# KiCad board ni_arena_12-12.kicad_pcb (continued)
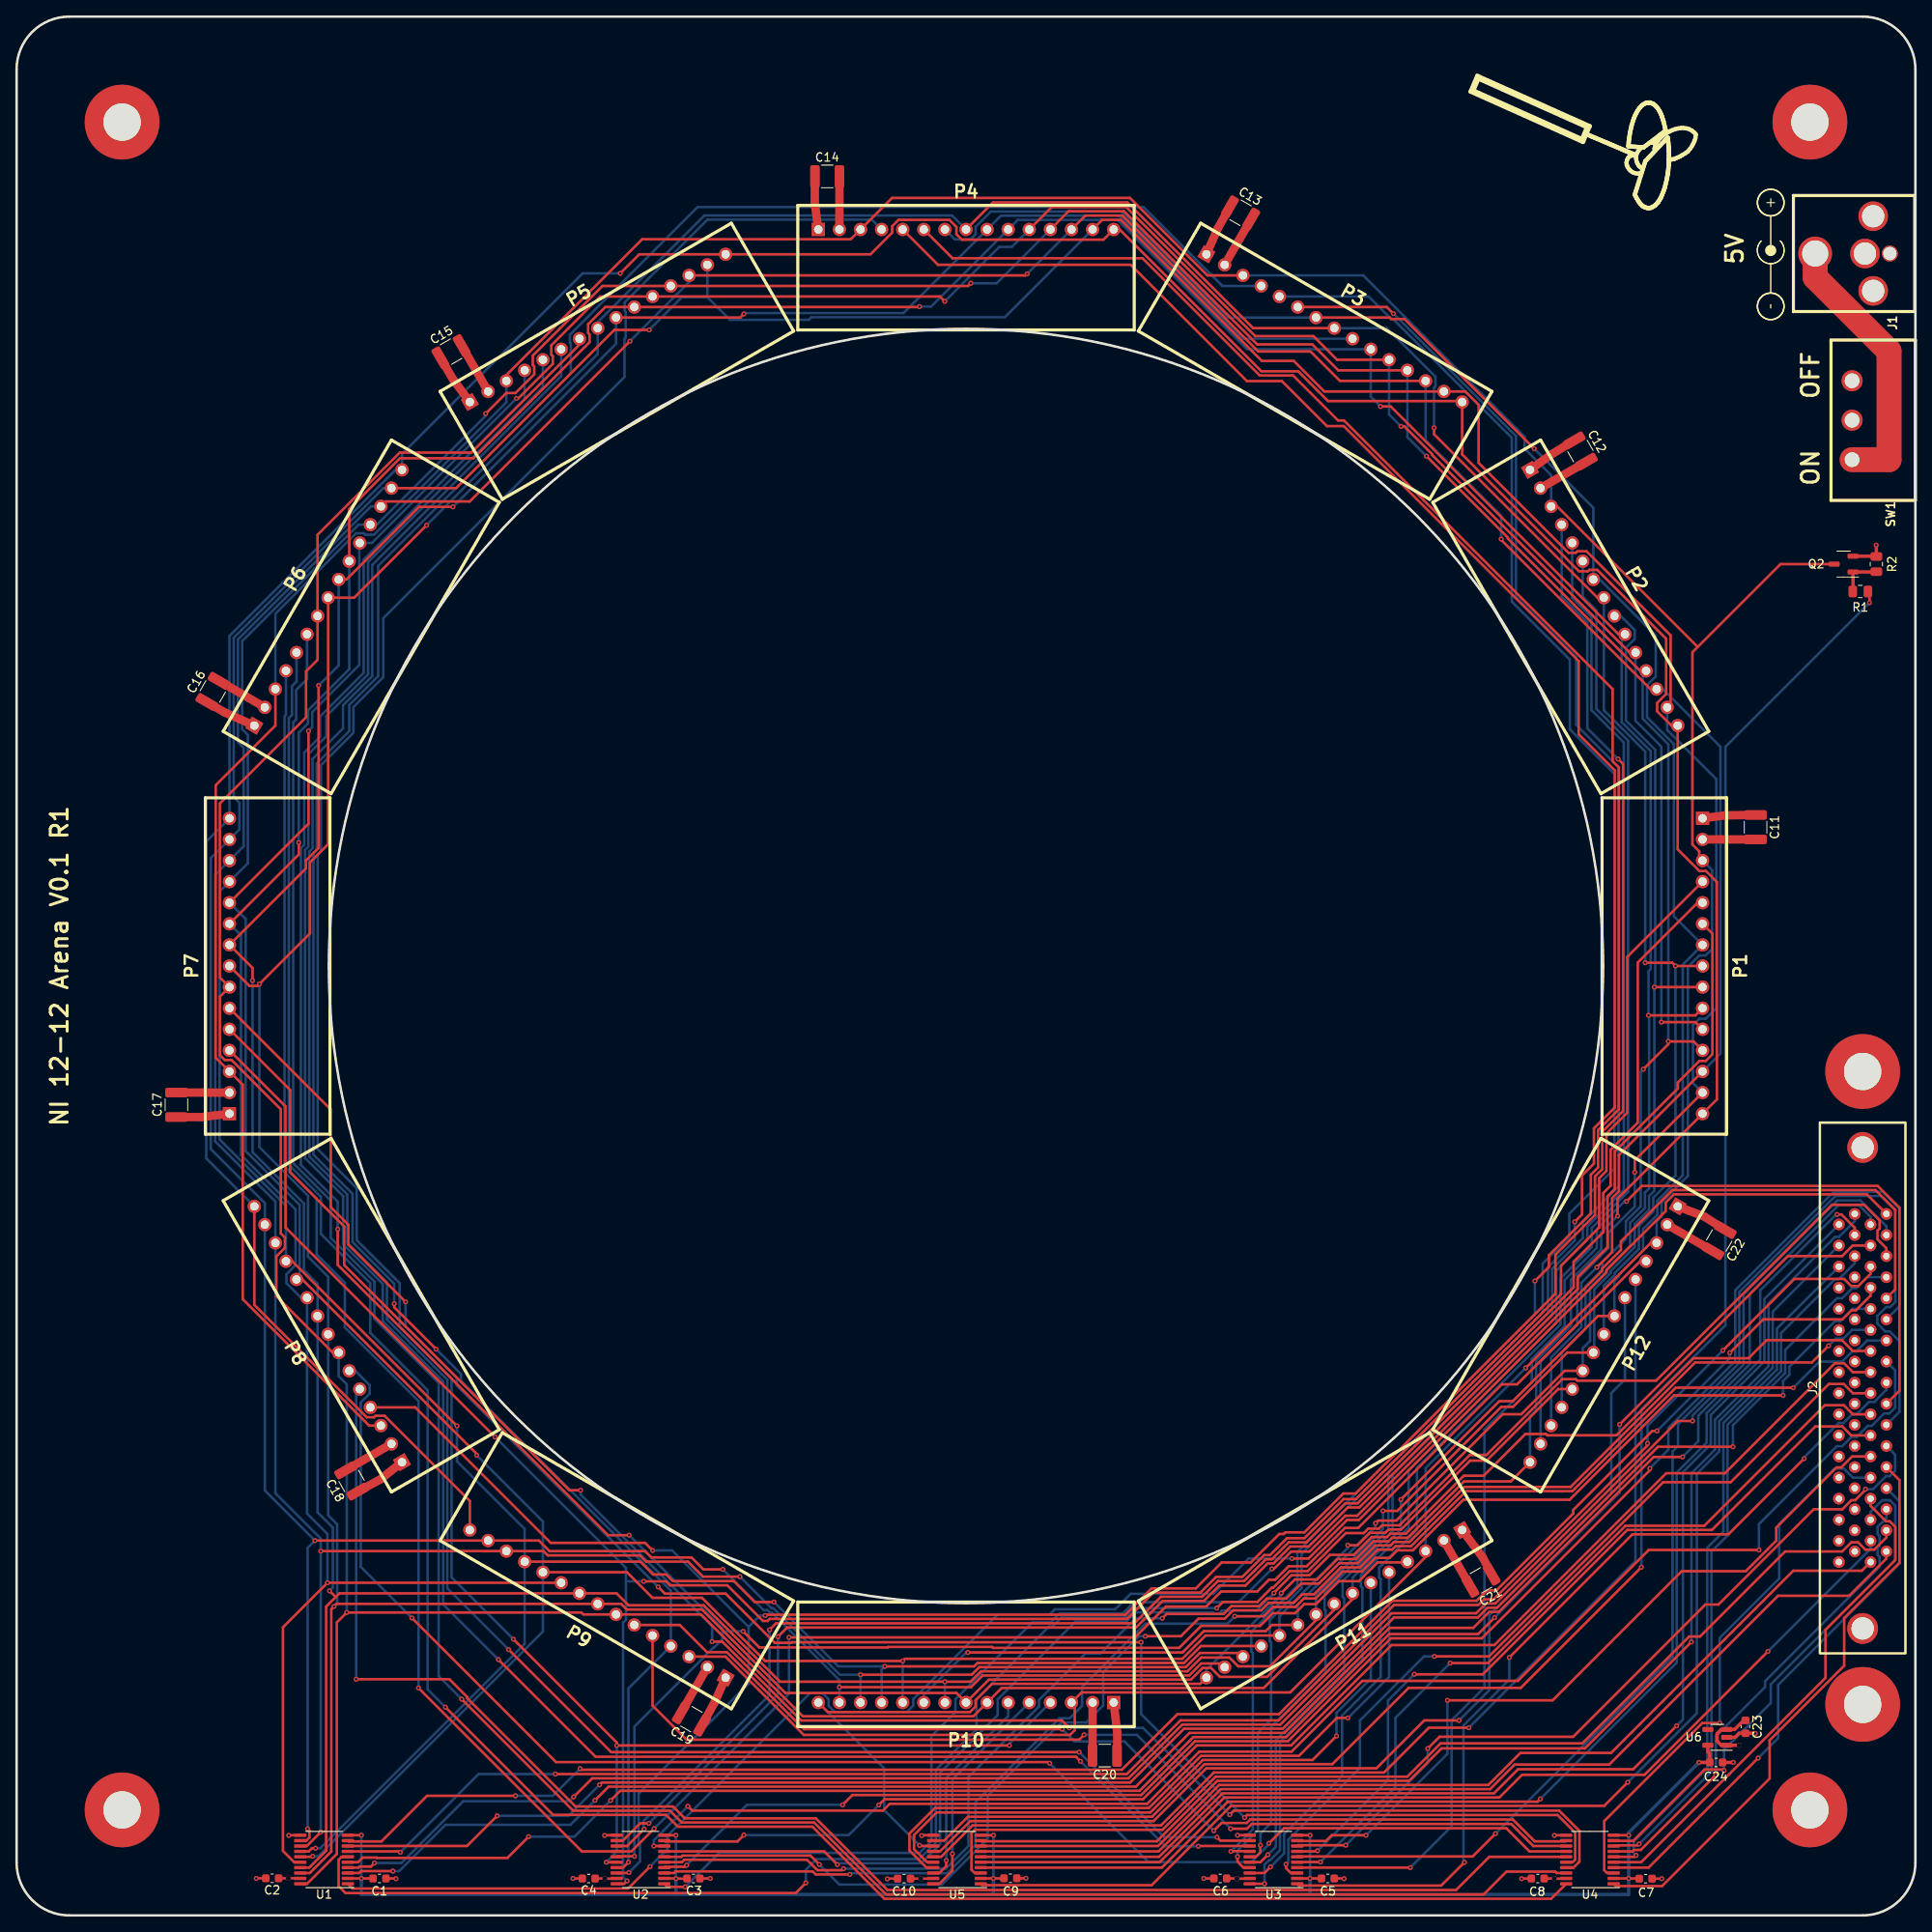
[diagram p0: board, top side]
## Routing (per net, layer and track width the routed paths; a pad name or vN(x,y) marks a point on that pad's centre or on a via; arc(x,y) is an arc through that point) (continued)
  Bottom w0.3: v1(206.25,67.73) 206.25,67.09 v1(197.49,58.33) ; v1(67.83,17.67) 64.56,14.4 v1(60.06,14.4)
/Level Shifters/PAN3V.EXT_INT: length 121.3
  Top w0.3: J2.35 222.15,41.49 213.89,41.49 191.96,19.56 181.05,19.56 177.19,15.7 144.77,15.7 137.42,8.35 U5.8
/Level Shifters/PAN3V.MISO_00: length 169.5
  Top w0.3: U2.9 78.08,8.9 86.79,8.9 v1(87.56,9.67) ; v1(103.79,13.29) 104.5,13.99 135.61,13.99 142.08,20.46 153.44,20.46 165.52,32.54 177.92,32.54 198.61,53.23 205.68,53.23 218.9,66.46 220.02,66.46 221.08,65.41 J2.53
  Bottom w0.3: v1(103.79,13.29) 100.18,9.67 v1(87.56,9.67)
/Level Shifters/PAN3V.MISO_01: length 101.8
  Top w0.3: v1(152.83,6.16) 152.83,5.69 153.42,5.1 U3.3 ; v1(170.68,31.18) 177.26,31.18 198.24,52.16 206.36,52.16 218.18,63.98 219.97,63.98 221.08,62.87 223.2,62.87
  Bottom w0.3: v1(170.68,31.18) 169.44,31.18 161.73,23.47 161.73,17.73 153.11,9.11 153.11,6.43 v1(152.83,6.16)
/Level Shifters/PAN3V.MISO_02: length 97.1
  Top w0.3: J2.49 221.08,60.33 219.99,61.41 217.69,61.41 203.19,46.91 193.7,46.91 177.17,30.38 v1(172.59,30.38) ; v1(156.97,6.42) 154.2,6.42 U3.5
  Bottom w0.3: v1(156.97,6.42) 166,15.45 166,23.78 v1(172.59,30.38)
/Level Shifters/PAN3V.MISO_03: length 96.3
  Top w0.3: v1(156.61,7.78) 156.54,7.7 U3.7 ; v1(168.26,29.02) 176.52,29.02 193.9,46.4 204.1,46.4 216.56,58.86 219.8,58.86 220.88,57.79 J2.47
  Bottom w0.3: v1(156.61,7.78) 165.11,16.27 165.11,25.87 v1(168.26,29.02)
/Level Shifters/PAN3V.MISO_04: length 92.9
  Top w0.3: v1(172.26,25.89) 184.92,25.89 200.47,41.44 208.18,41.44 211.84,45.11 211.84,46.67 219.11,53.94 219.67,53.94 220.98,55.25 J2.45 ; v1(162.45,9.65) 158.33,9.65 157.63,8.96 154.22,8.96 U3.9
  Bottom w0.3: v1(162.45,9.65) 172.26,19.45 v1(172.26,25.89)
/Level Shifters/PAN3V.MISO_05: length 67.1
  Top w0.3: v1(205.05,23.15) 202.94,23.15 191.14,11.35 191.14,5.45 191.49,5.1 U4.3
  Bottom w0.3: v1(205.05,23.15) 205.05,33.41 212.2,40.56 212.2,47.12 218.89,53.81 219.98,53.81 221.08,52.71 223.2,52.71
/Level Shifters/PAN3V.MISO_06: length 61.2
  Top w0.3: U4.5 195.59,6.4 217.78,28.59 217.78,34.38 226.18,42.78 226.18,46.77 225.5,47.45 225.07,47.45 223.2,49.31 J2.41
/Level Shifters/PAN3V.MISO_07: length 57
  Top w0.3: v1(204.56,16.91) 195.54,7.88 194.7,7.88 194.52,7.7 U4.7
  Bottom w0.3: v1(204.56,16.91) 204.56,21.54 210.51,27.49 210.51,28.2 224.29,41.98 224.29,43.15 224.06,43.38 224.06,44.25 224.29,44.48 224.29,45.69 224.06,45.92 224.06,46.79 225.11,47.84 J2.40
/Level Shifters/PAN3V.MISO_08: length 62.1
  Top w0.3: v1(205.56,17.43) 205.43,17.56 203.21,17.56 194.62,8.97 192.31,8.97 U4.9
  Bottom w0.3: v1(205.56,17.43) 205.56,19.94 211.19,25.57 211.19,27.81 226.17,42.8 226.17,49.33 225.53,49.98 224.6,49.98 223.2,48.58 J2.39
/Level Shifters/PAN3V.MISO_09: length 132.2
  Top w0.3: U5.3 115.35,5.1 114.96,5.49 114.96,9.91 115.35,10.31 137.96,10.31 144.35,16.7 167.43,16.7 171.44,20.71 188.5,20.71 201.36,33.57 202.67,33.57 212.92,43.82 219.79,43.82 220.88,44.91 221.71,44.91 222.58,44.03 223.64,44.03 225.11,45.5 J2.38
/Level Shifters/PAN3V.MISO_10: length 123.7
  Top w0.3: U5.5 137.6,6.4 145.39,14.19 178.51,14.19 181.25,16.93 196,16.93 v1(210.85,31.78)
  Bottom w0.3: v1(210.85,31.78) 223.2,44.13 J2.37
/Level Shifters/PAN3V.MISO_11: length 124.5
  Top w0.3: U5.7 137.48,7.7 144.98,15.2 177.4,15.2 180.36,18.16 191.74,18.16 212.06,38.48 220.63,38.48 225.11,42.96 J2.36
/Level Shifters/PAN3V.MOSI_00: length 181.2
  Top w0.3: U2.8 v1(76.72,8.35) ; v1(80.81,13.14) 81.34,12.62 104.29,12.62 105.11,13.43 136.11,13.43 142.4,19.71 153.49,19.71 162.01,28.23 180.74,28.23 196.49,43.99 v1(209.77,43.99)
  Bottom w0.3: J2.54 226.16,65.62 226.16,61.13 225.45,60.42 224.83,60.42 223.35,58.94 222.87,58.94 221.54,57.61 220.9,57.61 219.78,56.48 219.14,56.48 209.77,47.11 v1(209.77,43.99) ; v1(80.81,13.14) 76.72,9.05 v1(76.72,8.35)
/Level Shifters/PAN3V.MOSI_01: length 108.1
  Top w0.3: v1(179.71,31.06) 194.53,45.88 206.09,45.88 v1(215.21,55) ; U3.1 154.39,3.59 171.51,3.59 v1(174.31,6.39)
  Bottom w0.3: v1(174.31,6.39) 174.19,6.52 174.19,22.86 179.71,28.39 v1(179.71,31.06) ; J2.52 225.11,63.27 223.65,61.81 223,61.81 221.57,60.38 221.03,60.38 219.93,59.27 219.34,59.27 215.21,55.14 v1(215.21,55)
/Level Shifters/PAN3V.MOSI_02: length 163.7
  Top w0.3: U3.4 v1(167.79,5.75) ; J2.50 226.68,63.16 226.68,85.2 224.06,87.82 195.68,87.82 v1(193.82,85.96)
  Bottom w0.3: v1(167.79,5.75) 172.76,10.72 172.76,23.5 176.71,27.45 176.71,58.47 182.41,64.17 182.41,66.99 186.37,70.95 186.37,76.49 190.25,80.36 190.25,82.64 193.57,85.96 v1(193.82,85.96)
/Level Shifters/PAN3V.MOSI_03: length 155.7
  Top w0.3: v1(178.05,9.84) 175.3,7.09 154.22,7.09 U3.6
  Bottom w0.3: v1(178.05,9.84) 199.36,31.16 199.36,55.85 200.02,56.52 200.02,59.14 207.41,66.53 207.41,75.05 218.96,86.6 224.45,86.6 226.18,84.88 226.18,73.85 225.58,73.24 225.1,73.24 224.02,72.17 224.02,71.25 224.97,70.31 225.5,70.31 226.68,69.13 226.68,60.63 J2.48
/Level Shifters/PAN3V.MOSI_04: length 95.2
  Top w0.3: U3.8 154.28,8.45 v1(160.01,8.45) ; v1(169.89,20.09) 171.31,21.5 187.39,21.5 203.31,37.43 204.89,37.43 216.36,48.9 219.81,48.9 220.9,49.99 221.35,49.99 222.6,51.24 v1(222.6,51.31)
  Bottom w0.3: v1(160.01,8.45) 169.89,18.33 v1(169.89,20.09) ; v1(222.6,51.31) 223.5,51.31 225.07,52.88 225.51,52.88 226.16,53.53 226.16,55.46 J2.46
/Level Shifters/PAN3V.MOSI_05: length 68.9
  Top w0.3: J2.44 226.68,52.4 226.68,42.46 220.02,35.8 220.02,30.06 211.05,21.09 211.05,16.48 198.1,3.53 192.55,3.53 U4.1
/Level Shifters/PAN3V.MOSI_06: length 63
  Top w0.3: U4.4 196.48,5.75 v1(209.67,18.94)
  Bottom w0.3: J2.42 226.68,49.87 226.68,42.34 212.07,27.74 212.07,21.35 v1(209.67,18.94)
/Level Shifters/PAN3V.MOSI_07: length 84
  Top w0.3: U4.6 194.79,7.05 v1(194.97,7.23)
  Bottom w0.3: J2.29 211.93,70.64 211.93,65.72 205.48,59.28 205.48,46.2 203.54,44.26 203.54,17.73 194.68,8.87 194.68,7.52 v1(194.97,7.23)
/Level Shifters/PAN3V.MOSI_08: length 85
  Top w0.3: U4.8 192.36,8.43 195.17,8.43 v1(195.34,8.6)
  Bottom w0.3: J2.30 221.3,78.51 219.4,76.62 218.94,76.62 212.43,70.1 212.43,65.51 205.98,59.07 205.98,45.74 204.05,43.8 204.05,17.31 v1(195.34,8.6)
/Level Shifters/PAN3V.MOSI_09: length 158.2
  Top w0.3: U5.1 116.25,3.63 136.65,3.63 146.2,13.19 191.14,13.19 v1(193.97,16.02)
  Bottom w0.3: v1(193.97,16.02) 202.29,24.34 202.29,53.17 204.98,55.86 204.98,59.48 211.42,65.93 211.42,72.68 219.39,80.65
/Level Shifters/PAN3V.MOSI_10: length 159.7
  Top w0.3: v1(183.44,14.01) 183.12,13.69 145.82,13.69 137.88,5.75 U5.4 ; J2.32 221.3,82.79 219.7,84.39 v1(219.16,84.39)
  Bottom w0.3: v1(219.16,84.39) 219.06,84.39 209.92,75.25 209.92,66.9 203.47,60.46 203.47,56.93 199.86,53.32 199.86,30.43 v1(183.44,14.01)
/Level Shifters/PAN3V.MOSI_11: length 158.8
  Top w0.3: U5.6 137.54,7.05 145.19,14.69 177.86,14.69 180.77,17.6 194.62,17.6 v1(199.84,22.82)
  Bottom w0.3: J2.33 210.42,74.21 210.42,66.7 203.97,60.25 203.97,56.72 200.61,53.36 200.61,23.59 v1(199.84,22.82)
/Level Shifters/PAN3V.RESET: length 155.5
  Top w0.3: v1(201.63,32.92) 188.82,20.1 171.54,20.1 167.64,16.2 144.56,16.2 137.28,8.92 116.16,8.92 U5.9
  Bottom w0.3: v1(201.63,32.92) 201.63,53.23 204.48,56.07 204.48,59.69 210.92,66.14 210.92,73.68 218.94,81.7 219.4,81.7 221.3,83.59 J2.34
/Level Shifters/PAN3V.SCK_00: length 204.2
  Top w0.3: U2.1 78.35,3.43 v1(80.49,3.43) ; J2.60 226.17,75.35 226.17,84.94 223.79,87.32 199.33,87.32 193.15,81.14 193.15,80.12 190.91,77.88 190.91,77.63 161.39,48.11 159.97,48.11 155.66,43.8 153.46,43.8 151.38,41.72 v1(151.12,41.72)
  Bottom w0.3: v1(151.12,41.72) 147.11,37.71 134.54,37.71 133.18,36.35 125.57,36.35 124.5,35.28 122.29,35.28 113.03,26.02 113.03,24.48 110.14,21.58 110.14,8.95 108.71,7.53 84.58,7.53 v1(80.49,3.43)
/Level Shifters/PAN3V.SCK_01: length 179.6
  Top w0.3: v1(212.67,62.61) 199.53,62.61 186.96,50.03 174.17,50.03 168.09,43.95 166.22,43.95 165.31,43.04 163.58,43.04 161.93,41.39 159.64,41.39 156.4,38.15 154.99,38.15 153.97,37.14 151.28,37.14 150.15,36.01 v1(146.66,36.01) ; v1(100.31,4.94) 96.2,4.94 95.84,5.3 79.33,5.3 79.14,5.1 U2.3
  Bottom w0.3: v1(100.31,4.94) 100.45,5.07 112.03,5.07 115.44,8.48 115.44,13.61 125.55,23.73 126.78,23.73 128.27,25.22 128.27,27.5 135.89,35.12 145.77,35.12 v1(146.66,36.01) ; J2.59 221.05,73.03 219.57,71.55 218.92,71.55 213.43,66.05 213.43,65.1 212.67,64.33 v1(212.67,62.61)
/Level Shifters/PAN3V.SCK_02: length 203.9
  Top w0.3: v1(80.66,6.05) 80.47,5.85 78.08,5.85 U2.4 ; v1(99.45,13.31) 100.63,14.5 135.4,14.5 141.88,20.97 153.06,20.97 165.45,33.36 176.4,33.36 196.63,53.59 v1(196.63,53.81)
  Bottom w0.3: v1(80.66,6.05) 87.93,13.31 v1(99.45,13.31) ; J2.58 226.7,73.35 226.7,85.06 224.65,87.12 218.76,87.12 206.91,75.26 206.91,66.73 198.86,58.69 198.86,56.06 196.63,53.83 v1(196.63,53.81)
/Level Shifters/PAN3V.SCK_03: length 178.1
  Top w0.3: v1(218.15,68.58) 216.14,66.57 202.08,66.57 187.09,51.58 174.3,51.58 167.68,44.95 165.81,44.95 165.39,44.54 163.58,44.54 161.45,42.4 159.23,42.4 156.77,39.94 154.65,39.94 152.85,38.14 150.51,38.14 149.6,37.23 146.25,37.23 145.31,36.29 138.44,36.29 v1(137.92,35.77) ; U2.5 80.1,6.4 80.39,6.7 95.15,6.7 96.41,5.44 99.38,5.44 v1(99.56,5.62)
  Bottom w0.3: v1(218.15,68.58) 219,69.43 219.93,69.43 220.98,70.49 223.2,70.49 ; v1(137.92,35.77) 134.73,35.77 130.48,31.52 128.67,31.52 123.09,25.94 123.09,25.15 114.6,16.66 114.6,8.35 111.87,5.62 v1(99.56,5.62)
/Level Shifters/PAN3V.SCK_04: length 181.1
  Top w0.3: v1(135.89,33.61) 140.18,33.61 142.29,35.72 145.45,35.72 146.46,36.73 149.84,36.73 150.75,37.64 153.76,37.64 154.78,38.65 156.19,38.65 159.44,41.9 161.72,41.9 163.86,44.03 165.6,44.03 166.01,44.45 167.88,44.45 174.51,51.08 187.29,51.08 199.74,63.53 v1(213.9,63.53) ; v1(96.64,6.12) 95.57,7.2 80.19,7.2 80.04,7.05 U2.6
  Bottom w0.3: v1(96.64,6.12) 99.06,3.71 111.4,3.71 116.91,9.22 116.91,14.37 125.76,23.23 128.77,23.23 130.81,25.27 130.81,29.28 135.15,33.61 v1(135.89,33.61) ; v1(213.9,63.53) 217.04,66.67 219.77,66.67 221.01,67.9 221.48,67.9 222.8,69.22 J2.56
/Level Shifters/PAN3V.SCK_05: length 179
  Top w0.3: U2.7 77.98,7.7 97.22,7.7 v1(98.81,6.11) ; J2.55 221.07,67.95 219.77,69.25 210.68,69.25 208.51,67.08 201.88,67.08 192.6,57.8 184.28,57.8 184.13,57.95 181.64,57.95 176.62,52.93 174.23,52.93 167.26,45.96 165.39,45.96 164.99,45.56 163.14,45.56 160.99,43.4 158.1,43.4 155.65,40.95 153.48,40.95 151.37,38.84 v1(151.37,38.79)
  Bottom w0.3: v1(151.37,38.79) 149.26,36.68 145.09,36.68 144.74,36.32 144.2,36.32 144.03,36.49 134.73,36.49 133.59,35.35 127.45,35.35 118.11,26.01 118.11,24.11 111.18,17.18 111.18,8.56 108.89,6.27 98.98,6.27 v1(98.81,6.11)
/Level Shifters/PAN5V.CS_00: length 605.9
  Top w0.3: P11.7 160.84,38.07 150.14,27.38 118.59,27.38 P10.7 115.18,23.97 94.65,23.97 82.39,36.24 P9.7 68.23,36.24 68,36.47 v1(39.75,36.47) 38.55,35.27 38.55,7.39 34.96,3.8 U1.20 ; P8.7 38.05,67.76 31.27,74.55 31.27,79.33 32.31,80.38 32.31,81.61 31.81,82.11 31.81,97.05 25.87,102.99 25.05,102.99 24.47,103.56 24.47,110.61 P7.7 24.47,112.91 24.47,133.87 34.85,144.24 34.85,149.77 36.24,151.16 P6.7 36.24,166.22 46.12,176.11 54.76,176.11 67.76,189.11 P5.7 ; P12.7 190.39,72.16 180.13,61.9 178.5,61.9 v1(166.66,50.06) ; v1(182.72,176.57) 167.09,192.2 165.49,192.2 165.32,192.36 P3.7
  Bottom w0.3: P8.7 38.78,64.92 39.75,63.94 v1(39.75,36.47) ; v1(182.72,176.57) 189.82,169.46 P2.7 190.59,160.84 197.34,154.09 197.34,149.16 196.29,148.12 196.29,144.26 199.52,141.03 199.52,120.29 P1.7 200.59,114.46 200.59,89.11 197.54,86.06 197.54,84.37 195.81,82.64 195.81,80.03 192.92,77.13 192.92,76.93 192.36,76.38 P12.7 ; v1(166.66,50.06) 166.66,46.48 160.84,40.66 P11.7 ; P3.7 145.74,192.36 132.97,205.13 117.3,205.13 115.45,203.28 115.45,202.4 114.83,201.78 112.96,201.78 P4.7
/Level Shifters/PAN5V.CS_01: length 601.7
  Top w0.3: P1.8 v1(199.72,114.3) 199.33,114.69 v1(196.08,114.69) ; v1(49.35,167.37) 40.62,158.64 P6.8 37.51,128.96 35.33,126.78 35.33,118.23 v1(29.23,112.14) 28.99,111.9 28.03,111.9 P7.8 ; P3.8 148.87,191.09 133.73,206.23 117.56,206.23 P4.8 ; P11.8 158.64,36.8 150.55,28.72 144.87,28.72 143.8,29.8 142.79,29.8 141.38,28.38 117.06,28.38 P10.8 113.15,26.78 92.55,26.78 82.51,36.83 73.46,36.83 72.78,37.51 P9.8 38.52,37.51 v1(38.21,37.19) 37.88,36.87 37.88,7.69 35.3,5.1 U1.18 ; P2.8 190.33,158.64 170.65,178.32 v1(170.65,179.09)
  Bottom w0.3: v1(170.65,179.09) 170.65,183.92 170.82,184.09 170.82,185.25 164.97,191.09 P3.8 ; v1(199.72,114.3) 199.72,89.08 197.04,86.39 197.04,84.74 195.31,83.01 195.31,80.24 192.41,77.34 192.41,77.14 191.09,75.82 P12.8 ; P4.8 112.62,204.66 82.8,204.66 69.96,191.82 P5.8 69.96,187.98 v1(49.35,167.37) ; v1(29.23,112.14) 29.23,92.49 35.08,86.64 35.08,79.3 37.51,76.88 P8.8 37.51,48.17 38.59,47.09 38.59,37.57 v1(38.21,37.19) ; v1(196.08,114.69) 196.08,140.11 191.09,145.09 P2.8
/Level Shifters/PAN5V.CS_02: length 596.4
  Top w0.3: P5.9 87.12,192.36 v1(87.56,192.8) ; P11.9 156.44,35.53 150.9,29.99 147.07,29.99 146.02,31.04 142.61,31.04 140.96,29.39 116.1,29.39 114.85,28.13 v1(111.76,28.13) 91.91,28.13 82.71,37.33 73.67,37.33 72.22,38.78 P9.9 38.87,38.78 38.42,38.33 ; U1.17 35.23,5.75 37.27,7.79 37.27,37.17 38.42,38.33 ; v1(28.4,112.55) 28.4,114.06 P7.9 34.82,126.04 34.82,126.99 36.36,128.52 v1(36.36,148.07) ; v1(52.53,169.58) 48.45,169.58 39.71,160.84 P6.9 ; P1.9 v1(197.18,111.76) ; v1(164.5,48.7) 166.22,48.7 178.75,61.23 180.16,61.23 186.7,67.76 P12.9 ; 38.42,38.33 v1(37.67,39.07)
  Bottom w0.3: P12.9 189.94,67.88 189.94,75.37 191.91,77.35 191.91,77.56 194.81,80.45 194.81,83.22 196.54,84.95 196.54,86.6 197.18,87.24 v1(197.18,111.76) 197.27,111.86 197.27,140.33 193.75,143.86 193.75,152.62 194.8,153.67 194.8,154.76 193.12,156.44 P2.9 ; P11.9 156.44,38.45 164.5,46.51 v1(164.5,48.7) ; v1(37.67,39.07) 38.08,39.47 38.08,46.69 36.24,48.53 P8.9 36.24,76.01 34.58,77.67 34.58,85.72 28.4,91.9 v1(28.4,112.55) ; v1(52.53,169.58) 72.16,189.21 P5.9 ; P6.9 38.78,150.49 v1(36.36,148.07) ; v1(87.56,192.8) 87.67,192.91 106.78,192.91 P4.9 118.49,204.63 132.77,204.63 147.57,189.82 P3.9 ; P10.9 v1(111.76,28.13)
/Level Shifters/PAN5V.CS_03: length 599
  Top w0.3: P1.10 202.11,108.36 v1(196.47,108.36) ; U1.16 33.43,6.4 32.07,7.76 32.07,34.69 v1(37.42,40.05) P9.10 ; P6.10 40.05,169.32 46.15,175.43 55.01,175.43 68.98,189.4 68.98,190.33 68.81,190.5 68.81,191.57 70.87,193.63 P5.10 108.65,193.63 v1(108.7,193.69) ; P7.10 33.97,127.73 v1(33.97,129.16) ; P11.10 151.13,34.97 150.39,34.22 142.93,34.22 140.37,31.65 v1(114.51,31.65) ; v1(164.21,181.66) 165.44,181.66 192.86,154.24 P2.10 ; v1(163.6,47.21) 163.92,47.53 166.1,47.53 178.9,60.33 181.15,60.33 186.38,65.56 P12.10
  Bottom w0.3: P2.10 193.24,153.84 193.24,143.66 196.73,140.17 196.73,113.92 196.47,113.66 v1(196.47,108.36) 196.55,108.28 196.55,87.53 196.03,87.02 196.03,85.16 194.25,83.37 194.25,80.6 191.41,77.77 191.41,77.55 189.44,75.58 189.44,69.17 188.55,68.29 P12.10 ; P7.10 27.02,117.99 27.02,91.56 33.58,85 33.58,78.28 32.49,77.2 32.49,76.1 34.23,74.36 P8.10 34.97,48.38 37.42,45.92 v1(37.42,40.05) ; v1(108.7,193.69) 110.09,193.69 P4.10 120.53,204.13 132.56,204.13 148.13,188.55 P3.10 163.04,182.84 v1(164.21,181.66) ; P6.10 40.05,150.04 35.08,145.08 35.08,143.5 33.97,142.39 v1(33.97,129.16) ; v1(163.6,47.21) 163.6,46.79 154.24,37.43 P11.10 ; P10.10 109.22,26.53 114.34,31.65 v1(114.51,31.65)
/Level Shifters/PAN5V.CS_04: length 592.5
  Top w0.3: v1(35.14,142.6) 35.14,131.43 P7.11 ; P9.11 73.48,41.32 76.56,38.23 82.52,38.23 90.12,30.63 v1(106.68,30.63) 106.94,30.89 140.34,30.89 143.14,33.7 P11.11 ; v1(198.01,107.54) 202.11,107.54 P1.11 ; v1(166.67,179.26) 167.07,179.26 170.44,175.9 170.44,175.8 194.2,152.04 P2.11 ; v1(160.27,44.57) 161.44,44.57 162.93,46.06 164.78,46.06 165.18,46.46 166.7,46.46 174.99,54.75 176.99,54.75 185.6,63.36 P12.11 ; v1(60.17,182.63) 60.39,182.63 64.56,186.8 64.56,187.72 64.37,187.9 64.37,189.03 70.25,194.9 P5.11 111.16,194.9 v1(111.74,194.32) ; P3.11 158.98,187.28 156.13,190.13 149.12,190.13 133.56,205.7 124.64,205.7 P4.11 ; U1.15 35.57,7.05 v1(35.64,7.12) ; P8.11 34.4,76.56 55.39,55.56 v1(55.39,55.39)
  Bottom w0.3: v1(106.68,30.63) P10.11 ; v1(166.67,179.26) 165.24,180.7 P3.11 ; P7.11 27.58,119.97 27.58,92.02 34.08,85.52 34.08,76.95 P8.11 ; v1(35.14,142.6) 35.58,143.05 35.58,144.87 41.25,150.54 41.25,165.17 P6.11 42.78,165.24 v1(60.17,182.63) ; v1(35.64,7.12) 36.3,7.12 63.36,34.18 P9.11 63.36,47.42 v1(55.39,55.39) ; v1(160.27,44.57) 160.27,44.25 152.04,36.02 P11.11 ; v1(198.01,107.54) 198.01,140.71 194.9,143.82 P2.11 ; v1(111.74,194.32) 118.3,200.87 119.82,200.87 P4.11
/Level Shifters/PAN5V.CS_05: length 594.7
  Top w0.3: v1(35.99,8.08) 35.55,8.08 35.17,7.7 U1.14 ; P4.12 126.65,205.17 133.33,205.17 149.36,189.14 155.99,189.14 159.12,186.01 P3.12 ; P2.12 195.45,149.84 179.54,165.75 179.54,165.87 v1(169.74,175.68) ; P9.12 75.1,42.59 76.64,41.04 78.22,41.04 79.02,40.24 86.35,40.24 88.87,37.72 v1(91.18,37.72) ; v1(104.52,29.98) 115.28,29.98 115.69,30.39 140.54,30.39 142.58,32.43 P11.12 ; v1(114.88,196.5) 114.56,196.17 P5.12 70.54,196.17 62.15,187.78 62.15,186.66 62.32,186.49 62.32,185.54 60.06,183.28 58.95,183.28 v1(56.47,180.8) ; P1.12 201.9,105.22 v1(198.85,105.22) 198.85,104.88 v1(195.85,101.88) ; v1(53.01,58.93) 33.18,78.76 P8.12
  Bottom w0.3: P4.12 117.98,196.5 v1(114.88,196.5) ; P3.12 167.44,177.98 v1(169.74,175.68) ; P12.12 186.01,67.75 188.89,70.62 188.89,75.74 190.91,77.76 190.91,78.61 193.74,81.45 193.74,83.58 195.53,85.36 195.53,101.56 v1(195.85,101.88) ; v1(53.01,58.93) 53.01,54.67 61.16,46.52 P9.12 61.16,32.69 36.56,8.08 v1(35.99,8.08) ; P2.12 195.76,149.43 195.76,144.08 198.85,140.99 v1(198.85,105.22) ; P8.12 32.43,85.44 24.44,93.43 24.44,123.28 P7.12 27.84,126.67 27.84,142.14 27.16,142.82 27.16,153.41 41.18,167.44 P6.12 43.37,167.44 56.47,180.53 v1(56.47,180.8) ; P10.12 104.14,29.6 v1(104.52,29.98) 98.93,29.98 v1(91.18,37.72)
/Level Shifters/PAN5V.CS_06: length 598.2
  Top w0.3: P5.13 121.47,197.44 v1(121.66,197.63) ; v1(178.73,165.7) 178.73,165.61 196.7,147.64 P2.13 ; v1(101.6,28.97) 114.98,28.97 115.89,29.89 140.75,29.89 142.46,31.6 147.2,31.6 P11.13 ; P1.13 192.91,91.54 192.91,87.19 192.09,86.36 192.09,79.86 v1(190.26,78.03) ; P6.13 44.45,170.23 54.55,170.23 v1(73.83,189.51) ; P3.13 159.32,184.74 155.78,188.29 149.49,188.29 133.13,204.65 128.67,204.65 P4.13 ; U1.13 34.94,8.35 v1(36.61,10.02) ; v1(87.08,40.78) 82.63,40.78 80.83,42.59 75.8,42.59 75.04,43.35 63.95,43.35 63.44,43.86 P9.13 v1(36.62,43.86)
  Bottom w0.3: v1(36.61,10.02) 36.62,10.03 v1(36.62,43.86) 36.62,45.37 31.16,50.83 P8.13 31.16,85.93 23.91,93.18 23.91,125.28 P7.13 27.33,128.71 27.33,140.56 26.64,141.25 26.64,153.61 42.67,169.64 P6.13 ; P5.13 80.96,196.64 v1(73.83,189.51) ; P10.13 v1(101.6,28.97) 99.11,28.97 91.12,36.97 90.89,36.97 v1(87.08,40.78) ; P12.13 184.74,67.19 188.39,70.83 188.39,76.16 v1(190.26,78.03) ; P2.13 198.18,147.64 205.13,140.69 205.13,103.76 P1.13 ; P4.13 v1(121.66,197.63) ; P3.13 169.64,177.6 178.73,168.5 v1(178.73,165.7)
/Level Shifters/PAN5V.CS_07: length 608.7
  Top w0.3: P11.14 145,30.33 142.61,30.33 141.17,28.88 116.31,28.88 114.9,27.47 v1(99.06,27.47) ; v1(35.91,45.12) 35.91,45.13 P9.14 62.88,45.13 64.16,43.85 75.67,43.85 76.43,43.09 81.25,43.09 82.68,41.66 v1(85.03,41.66) ; U1.12 34.88,9 35.24,9.36 35.24,10.21 v1(35.03,10.42) ; P1.14 194.81,90.9 v1(194.81,89.46) ; P6.14 52.92,171.84 71.96,190.88 v1(76.15,190.88) ; P4.14 130.7,204.13 132.94,204.13 149.92,187.15 153.76,187.15 157.43,183.47 P3.14 174.41,183.47 176.02,181.86 176.02,174.87 186.84,164.04 187.72,164.04 187.9,164.23 189.01,164.23 199.12,154.12 199.12,145.85 P2.14
  Bottom w0.3: 83.16,194.82 80.1,194.82 v1(76.15,190.88) ; 83.16,194.82 P5.14 ; 83.16,194.82 85.89,192.1 95.39,192.1 95.7,192.41 118.97,192.41 P4.14 ; P2.14 198.71,142.71 204.63,136.8 204.63,109.23 203.35,107.95 202.59,107.95 201.82,107.18 201.82,100.21 P1.14 ; P10.14 v1(99.06,27.47) 99.06,28.32 90.94,36.44 90.71,36.44 90.4,36.75 89.93,36.75 v1(85.03,41.66) ; v1(35.03,10.42) 35.03,44.24 v1(35.91,45.12) 29.89,51.15 P8.14 29.89,85.75 23.37,92.27 23.37,127.29 P7.14 26.82,130.74 26.82,133.95 26.14,134.64 26.14,153.81 44.16,171.84 P6.14 ; P12.14 183.47,66.63 187.88,71.04 187.88,76.58 191.65,80.35 191.65,82.2 194.81,85.35 v1(194.81,89.46)
/Level Shifters/PAN5V.EXT_INT: length 581.4
  Top w0.3: P12.15 179.89,52.25 174.26,52.25 167.47,45.46 165.6,45.46 165.18,45.04 163.38,45.04 161.24,42.9 159.02,42.9 156.57,40.45 153.9,40.45 v1(152.25,38.79) ; v1(72.67,197.69) 74.96,199.98 P5.15 102.8,199.98 105.41,202.59 105.41,203.36 106.18,204.13 112.3,204.13 113.15,203.27 113.15,202.4 113.8,201.75 130.85,201.75 P4.15 132.79,202.97 149.86,185.9 154.3,185.9 157.88,182.32 173.92,182.32 P3.15 174.03,175.88 188.1,161.82 189.18,161.82 189.35,161.99 190.3,161.99 198.6,153.69 198.6,147.06 197.51,145.96 197.51,144.97 199.24,143.24 P2.15 199.98,128.35 202.61,125.73 203.39,125.73 204.7,124.41 204.7,98.25 P1.15 192.74,86.29 v1(192.74,84.21) ; P8.15 28.62,73.5 42.15,59.97 43.02,59.97 43.2,60.15 44.3,60.15 54.57,49.88 P9.15 ; v1(108.7,8.43) 108.78,8.35 U5.13 ; P10.15 97.67,24.47 114.78,24.47 115.45,25.15 115.45,25.89 117.44,27.88 142.5,27.88 P11.15
  Bottom w0.3: P10.15 104.45,17.7 104.45,12.68 v1(108.7,8.43) ; v1(192.74,84.21) 190.77,82.24 190.77,80.18 187.13,76.53 187.13,71 182.94,66.81 182.94,60.84 182.2,60.1 P12.15 ; v1(152.25,38.79) 152.25,38.57 143.24,29.56 P11.15 ; P8.15 22.84,91.14 22.84,129.29 P7.15 25.63,154.04 45.62,174.03 P6.15 46.4,175.94 68.14,197.69 v1(72.67,197.69)
/Level Shifters/PAN5V.MISO_00: length 198.9
  Top w0.3: P1.6 204.16,118.19 204.16,103.67 203.36,102.87 202.6,102.87 200,100.27 200,99.55 192.41,91.96 192.41,87.43 191.53,86.56 191.53,80.45 187.95,76.87 187.95,75.41 161.65,49.11 160.26,49.11 155.56,44.41 153.36,44.41 151.32,42.37 150.61,42.37 147.94,39.7 144.78,39.7 142.94,37.86 137.98,37.86 134.78,34.66 92.77,34.66 v1(91.66,33.55) ; U2.12 72.99,9 75.07,11.08 v1(76.12,11.08)
  Bottom w0.3: v1(76.12,11.08) 91.66,26.63 v1(91.66,33.55)
/Level Shifters/PAN5V.MISO_01: length 180.3
  Top w0.3: U3.18 150.23,5.1 v1(150.96,5.83)
  Bottom w0.3: v1(150.96,5.83) 152.6,7.48 152.6,9.8 159.58,16.77 159.58,24.06 164.23,28.71 164.23,40.48 164.05,40.67 164.05,41.88 168.59,46.42 168.59,53.87 185.87,71.16 185.87,76.7 189.64,80.47 189.64,82.76 194.02,87.14 194.02,141.43 190.19,145.25 190.19,157.12 188.55,158.76 P2.6
/Level Shifters/PAN5V.MISO_02: length 228.8
  Top w0.3: P3.6 164.97,193.63 v1(165.76,192.85) ; U3.16 149.75,6.4 v1(150.64,7.3)
  Bottom w0.3: v1(150.64,7.3) 151.6,8.26 151.6,21.08 159.83,29.31 159.83,38.16 159.65,38.34 159.65,40.24 165.65,46.25 165.65,53.07 184.87,72.28 184.87,77.82 188.56,81.52 188.56,83.46 192.86,87.76 192.86,138.24 187.77,143.33 187.77,151.48 180.51,158.73 180.51,178.1 165.77,192.85 v1(165.76,192.85)
/Level Shifters/PAN5V.MISO_03: length 267.9
  Top w0.3: U3.14 148.42,7.74 146.23,7.74 v1(146.2,7.7) ; P4.6 112.69,199.51 135.54,199.51 149.66,185.4 153.68,185.4 159.09,179.98 159.8,179.98 192.15,147.63 192.15,138.95 192.9,138.19 192.9,97.06 190.4,94.55 190.4,90.05 189.53,89.17 189.53,84.52 184.48,79.48 184.48,78.07 v1(182.79,76.37)
  Bottom w0.3: v1(182.79,76.37) 182.79,72.33 154.2,43.74 154.2,39.7 148.65,34.15 148.65,31.78 148.83,31.59 148.83,10.34 146.2,7.71 v1(146.2,7.7)
/Level Shifters/PAN5V.MISO_04: length 277.8
  Top w0.3: v1(144.51,9.42) 144.93,9 148.45,9 U3.12 ; v1(59.23,32.01) 71.59,19.65 v1(127.93,19.65)
  Bottom w0.3: v1(59.23,32.01) 51.86,39.38 51.86,64.48 44.58,71.76 44.58,76.23 39.81,81 39.81,86.8 35.23,91.38 35.23,128.08 35.63,128.47 35.63,139.23 39.3,142.9 39.3,145.68 42.82,149.21 42.82,162.59 65.56,185.33 P5.6 ; v1(127.93,19.65) 138.16,9.42 v1(144.51,9.42)
/Level Shifters/PAN5V.MISO_05: length 281.2
  Top w0.3: v1(53.58,26.03) 67.01,12.6 78.65,12.6 80.07,11.18 96.01,11.18 104.67,2.53 176.63,2.53 179.37,5.27 185.24,5.27 185.41,5.1 U4.18
  Bottom w0.3: v1(53.58,26.03) 50.81,28.81 50.81,64.11 43.08,71.84 43.08,76.31 37.82,81.57 37.82,86.04 33.3,90.56 33.3,143.62 33.65,143.98 33.65,147.53 34.97,148.84 P6.6
/Level Shifters/PAN5V.MISO_06: length 223.6
  Top w0.3: v1(135.39,32.89) 93.34,32.89 93.26,32.81 91.28,32.81 85.36,38.74 78.05,38.74 v1(77.24,39.55) ; U4.16 187.34,6.4 187.64,6.7 187.64,9.96 185.52,12.08 148.14,12.08 v1(147.84,11.78) ; v1(46.82,73.86) 39.94,80.75 39.94,83.15 37.82,85.27 37.82,97.02 P7.6
  Bottom w0.3: v1(77.24,39.55) 52.99,63.8 52.99,64.76 46.82,70.93 v1(46.82,73.86) ; v1(147.84,11.78) 135.39,24.23 v1(135.39,32.89)
/Level Shifters/PAN5V.MISO_07: length 188.2
  Top w0.3: v1(124.37,18.31) 124.23,18.45 64.94,18.45 v1(47.58,35.82) ; v1(150.76,8.67) 152.59,10.5 179.35,10.5 182.14,7.7 U4.14
  Bottom w0.3: P8.6 40.77,65.56 42.5,63.84 42.5,62.81 41.43,61.75 41.43,41.96 v1(47.58,35.82) ; v1(150.76,8.67) 150.76,8.54 148.64,6.42 136.26,6.42 v1(124.37,18.31)
/Level Shifters/PAN5V.MISO_08: length 124.1
  Top w0.3: v1(125.88,22.42) 94.78,22.42 85.52,31.69 83.12,31.69 79.84,34.97 P9.6 ; v1(144.13,10.19) 145.07,11.13 148.11,11.13 148.53,11.54 180.13,11.54 182.76,8.91 186.47,8.91 U4.12
  Bottom w0.3: v1(144.13,10.19) 133.38,20.94 127.36,20.94 v1(125.88,22.42)
/Level Shifters/PAN5V.MISO_09: length 24.7
  Top w0.3: U5.18 111.09,5.1 111.93,5.94 v1(111.93,6.61)
  Bottom w0.3: P10.6 119.38,23.98 111.93,16.53 v1(111.93,6.61)
/Level Shifters/PAN5V.MISO_10: length 80.6
  Top w0.3: U5.16 109.62,6.4 108.04,7.98 108.04,9.67 110.76,12.39 136.49,12.39 142.81,18.71 156.02,18.71 v1(158.9,21.59)
  Bottom w0.3: P11.6 163.04,28.51 158.9,24.38 v1(158.9,21.59)
/Level Shifters/PAN5V.MISO_11: length 129
  Top w0.3: v1(173.66,23.47) 169.47,23.47 163.7,17.71 143.23,17.71 136.88,11.36 114.82,11.36 111.17,7.7 U5.14
  Bottom w0.3: P12.6 193.63,64.53 191.99,62.88 191.99,50.82 177.3,36.13 177.3,27.11 v1(173.66,23.47)
/Level Shifters/PAN5V.MOSI_00: length 201.4
  Top w0.3: v1(75.54,10.39) 73.51,8.35 U2.13 ; v1(90.64,34.38) 91.43,35.16 134.57,35.16 137.77,38.36 142.73,38.36 144.62,40.25 147.78,40.25 150.4,42.87 151.11,42.87 153.15,44.91 155.26,44.91 159.96,49.61 161.45,49.61 187.45,75.62 187.45,78.69 191.03,82.27 191.03,86.98 191.91,87.85 191.91,92.17 195.17,95.44 195.17,114.71 202.38,121.92 P1.5
  Bottom w0.3: v1(75.54,10.39) 75.47,10.47 75.47,11.35 90.64,26.53 v1(90.64,34.38)
/Level Shifters/PAN5V.MOSI_01: length 183.9
  Top w0.3: U3.20 v1(150.24,3.8)
  Bottom w0.3: P2.5 187.28,158.63 189.6,156.31 189.6,145.1 193.5,141.21 193.5,87.33 189.1,82.93 189.1,81.34 185.37,77.62 185.37,71.37 167.58,53.58 167.58,46.7 161.84,40.96 161.84,39.61 162.03,39.43 162.03,30.8 152.1,20.88 152.1,7.84 150.91,6.65 150.78,6.65 150.24,6.11 v1(150.24,3.8)
/Level Shifters/PAN5V.MOSI_02: length 232.2
  Top w0.3: U3.17 147.7,5.75 146.98,6.47 v1(146.98,7.08)
  Bottom w0.3: v1(146.98,7.08) 146.98,7.79 149.45,10.26 149.45,21.99 151.03,23.57 151.03,32.86 150.88,33.02 150.88,35.56 154.7,39.39 154.7,43.53 183.73,72.57 183.73,78.49 186.93,81.69 186.93,84.48 192.36,89.91 192.36,137.44 187,142.8 187,151.18 180.01,158.17 180.01,177.9 165.71,192.2 165.49,192.2 162.78,194.9 P3.5
/Level Shifters/PAN5V.MOSI_03: length 267.4
  Top w0.3: P4.5 110.93,198.72 134.12,198.72 148.12,184.72 152.33,184.72 157.75,179.3 159.77,179.3 188.06,151.01 188.06,142.2 192.4,137.86 192.4,97.27 189.9,94.76 189.9,90.5 188.46,89.07 188.46,84.38 v1(187.58,83.5) ; U3.15 149.19,7.05 149.74,7.61 v1(149.74,8.44)
  Bottom w0.3: v1(187.58,83.5) 187.58,81.25 184.37,78.03 184.37,72.49 165.15,53.28 165.15,46.46 157.47,38.78 157.47,36.83 157.59,36.71 157.59,29.25 151.03,22.69 151.03,11.12 149.74,9.84 v1(149.74,8.44)
/Level Shifters/PAN5V.MOSI_04: length 277.8
  Top w0.3: U3.13 142.29,8.35 v1(142.26,8.33) ; v1(128.08,18.55) 127.53,19.1 69.7,19.1 v1(58.01,30.79)
  Bottom w0.3: v1(128.08,18.55) 138.3,8.33 v1(142.26,8.33) ; v1(58.01,30.79) 51.36,37.44 51.36,64.27 44.08,71.55 44.08,76.02 39.31,80.79 39.31,86.59 34.73,91.17 34.73,128.29 35.13,128.68 35.13,139.79 37.28,141.95 37.28,144.38 42.32,149.41 42.32,162.93 63.36,183.98 P5.5
/Level Shifters/PAN5V.MOSI_05: length 280.4
  Top w0.3: v1(51.63,25.06) 64.59,12.1 78.2,12.1 79.62,10.68 95.81,10.68 104.48,2 184.75,2 U4.20
  Bottom w0.3: v1(51.63,25.06) 49.48,27.21 49.48,63.24 42.57,70.15 42.57,76.11 36.63,82.05 36.63,86.51 32.77,90.38 32.77,144.16 33.15,144.54 33.15,147.98 33.7,148.53 P6.5
/Level Shifters/PAN5V.MOSI_06: length 218.4
  Top w0.3: v1(67.9,51.18) 66.55,51.18 39.44,78.29 39.44,82.95 32.93,89.45 32.93,99.37 P7.5 ; v1(146.06,12.12) 146.55,12.62 185.71,12.62 188.15,10.17 188.15,6.48 187.43,5.75 U4.17 ; v1(83.73,32.96) 84.96,32.96 94.45,23.47 125.84,23.47 v1(126.73,22.57)
  Bottom w0.3: v1(126.73,22.57) 135.61,22.57 v1(146.06,12.12) ; v1(67.9,51.18) 67.9,50.67 83.73,34.83 v1(83.73,32.96)
/Level Shifters/PAN5V.MOSI_07: length 193
  Top w0.3: U4.15 177.3,7.05 173.3,3.05 104.85,3.05 96.22,11.68 80.45,11.68 79.03,13.11 67.29,13.11 54.23,26.16 54.23,26.3 52.1,28.44 v1(40.88,28.44)
  Bottom w0.3: P8.5 40.88,62.93 v1(40.88,28.44)
/Level Shifters/PAN5V.MOSI_08: length 126.4
  Top w0.3: P9.5 76.56,25.25 80.66,21.16 127.94,21.16 v1(128.52,21.74) ; U4.13 182.6,8.35 179.94,11.01 148.7,11.01 148.13,10.43 v1(146.16,10.43)
  Bottom w0.3: v1(128.52,21.74) 134.86,21.74 v1(146.16,10.43)
/Level Shifters/PAN5V.MOSI_09: length 27
  Top w0.3: v1(112.66,7.41) 112.66,5.38 111.09,3.8 U5.20
  Bottom w0.3: P10.5 112.66,16.37 v1(112.66,7.41)
/Level Shifters/PAN5V.MOSI_10: length 83.9
  Top w0.3: U5.17 109.56,5.75 107.49,7.82 107.49,9.85 110.56,12.93 136.32,12.93 142.6,19.21 154.39,19.21 158.95,23.77 v1(160.29,23.77)
  Bottom w0.3: v1(160.29,23.77) 165.24,28.72 P11.5
/Level Shifters/PAN5V.MOSI_11: length 133.2
  Top w0.3: U5.15 111.3,7.05 115.09,10.84 137.78,10.84 144.15,17.2 164.63,17.2 170.02,22.59 v1(174.84,22.59)
  Bottom w0.3: v1(174.84,22.59) 194.9,42.66 P12.5
/Level Shifters/PAN5V.RESET: length 227.8
  Top w0.3: v1(223.08,158.04) 223.08,159.19 222.88,159.39 ; v1(195.61,41.91) 181.09,27.39 167.59,27.39 158.41,18.21 143.02,18.21 136.69,11.87 114.54,11.87 111.67,9 U5.12
  Bottom w0.3: v1(195.61,41.91) 195.61,60.92 205.73,71.04 205.73,140.68 v1(223.08,158.04)
/Level Shifters/PAN5V.SCK_00: length 309.1
  Top w0.3: U2.20 73.14,3.8 v1(73.5,4.15) ; v1(75.5,40.22) 78.19,40.22 78.66,39.74 85.56,39.74 89.86,35.45 90.4,35.45 90.65,35.69 133.68,35.69 136.85,38.86 142.52,38.86 144.41,40.75 147.57,40.75 150.19,43.37 150.9,43.37 152.95,45.42 155.06,45.42 159.75,50.11 161.24,50.11 185.94,74.81 185.94,78.24 190.53,82.83 190.53,88.76 191.4,89.63 191.4,94.14 193.91,96.64 193.91,115.39 P1.4 ; P7.4 32.37,97.4 32.37,82.83 v1(57.6,57.6)
  Bottom w0.3: 73.36,40.22 73.36,41.84 v1(57.6,57.6) ; 73.36,40.22 73.36,35.59 73.01,35.24 73.01,4.65 v1(73.5,4.15) ; 73.36,40.22 v1(75.5,40.22)
/Level Shifters/PAN5V.SCK_01: length 306.4
  Top w0.3: U2.18 73.66,5.1 v1(73.72,5.16) ; v1(76.58,43.94) 75.66,44.85 64.31,44.85 47.99,61.16 P8.4 ; v1(90.13,36.1) 90.23,36.2 133.48,36.2 136.65,39.37 141.96,39.37 145.08,42.49 148.59,42.49 152.02,45.92 152.56,45.92 152.76,46.12 155.04,46.12 159.72,50.79 161.21,50.79 185.26,74.84 185.26,79.55 190.03,84.31 190.03,88.96 190.9,89.84 190.9,94.35 193.41,96.85 193.41,138.61 v1(192.8,139.22)
  Bottom w0.3: v1(90.13,36.1) 89.5,36.1 88.13,34.73 ; v1(192.8,139.22) 189.1,142.92 189.1,155.69 186.01,158.77 P2.4 ; v1(73.72,5.16) 75.05,6.49 75.05,8.41 74.89,8.58 74.89,14.66 88.13,27.9 88.13,34.73 ; 88.13,34.73 78.93,43.94 v1(76.58,43.94)
/Level Shifters/PAN5V.SCK_02: length 311.9
  Top w0.3: v1(45.46,73.65) 45.46,73.22 v1(50.51,68.17) ; U2.17 73.01,5.75 v1(73.66,6.4)
  Bottom w0.3: v1(73.66,6.4) 73.66,27.32 P9.4 78.76,39.1 53.5,64.36 53.5,65.18 v1(50.51,68.17) ; v1(45.46,73.65) 45.46,76.06 40.44,81.08 40.44,86.88 35.74,91.58 35.74,127.87 36.13,128.27 36.13,138.67 40.05,142.59 40.05,145.72 43.53,149.21 43.53,162.47 66.72,185.65 66.72,189.24 66.61,189.35 66.61,190.3 81.98,205.67 135.67,205.67 145.17,196.17 P3.4
/Level Shifters/PAN5V.SCK_03: length 309.9
  Top w0.3: v1(59.81,33.25) 72.25,20.81 v1(72.25,20.46) v1(119.52,20.46) ; U2.16 v1(70.99,6.4)
  Bottom w0.3: v1(59.81,33.25) 52.36,40.7 52.36,64.68 46.11,70.93 46.11,76.12 40.94,81.28 40.94,87.55 36.24,92.26 36.24,127.66 36.63,128.06 36.63,138.46 40.55,142.38 40.55,145.47 44.14,149.07 44.14,156.17 73.18,185.2 73.18,189.78 73.32,189.92 73.32,193.04 73.21,193.16 73.21,194.2 83.17,204.15 102.96,204.15 P4.4 ; v1(70.99,6.4) 72.25,7.66 v1(72.25,20.46) ; v1(119.52,20.46) 119.52,20.68 P10.4
